# KiCad board EduboardV2_Baseboard.kicad_pcb
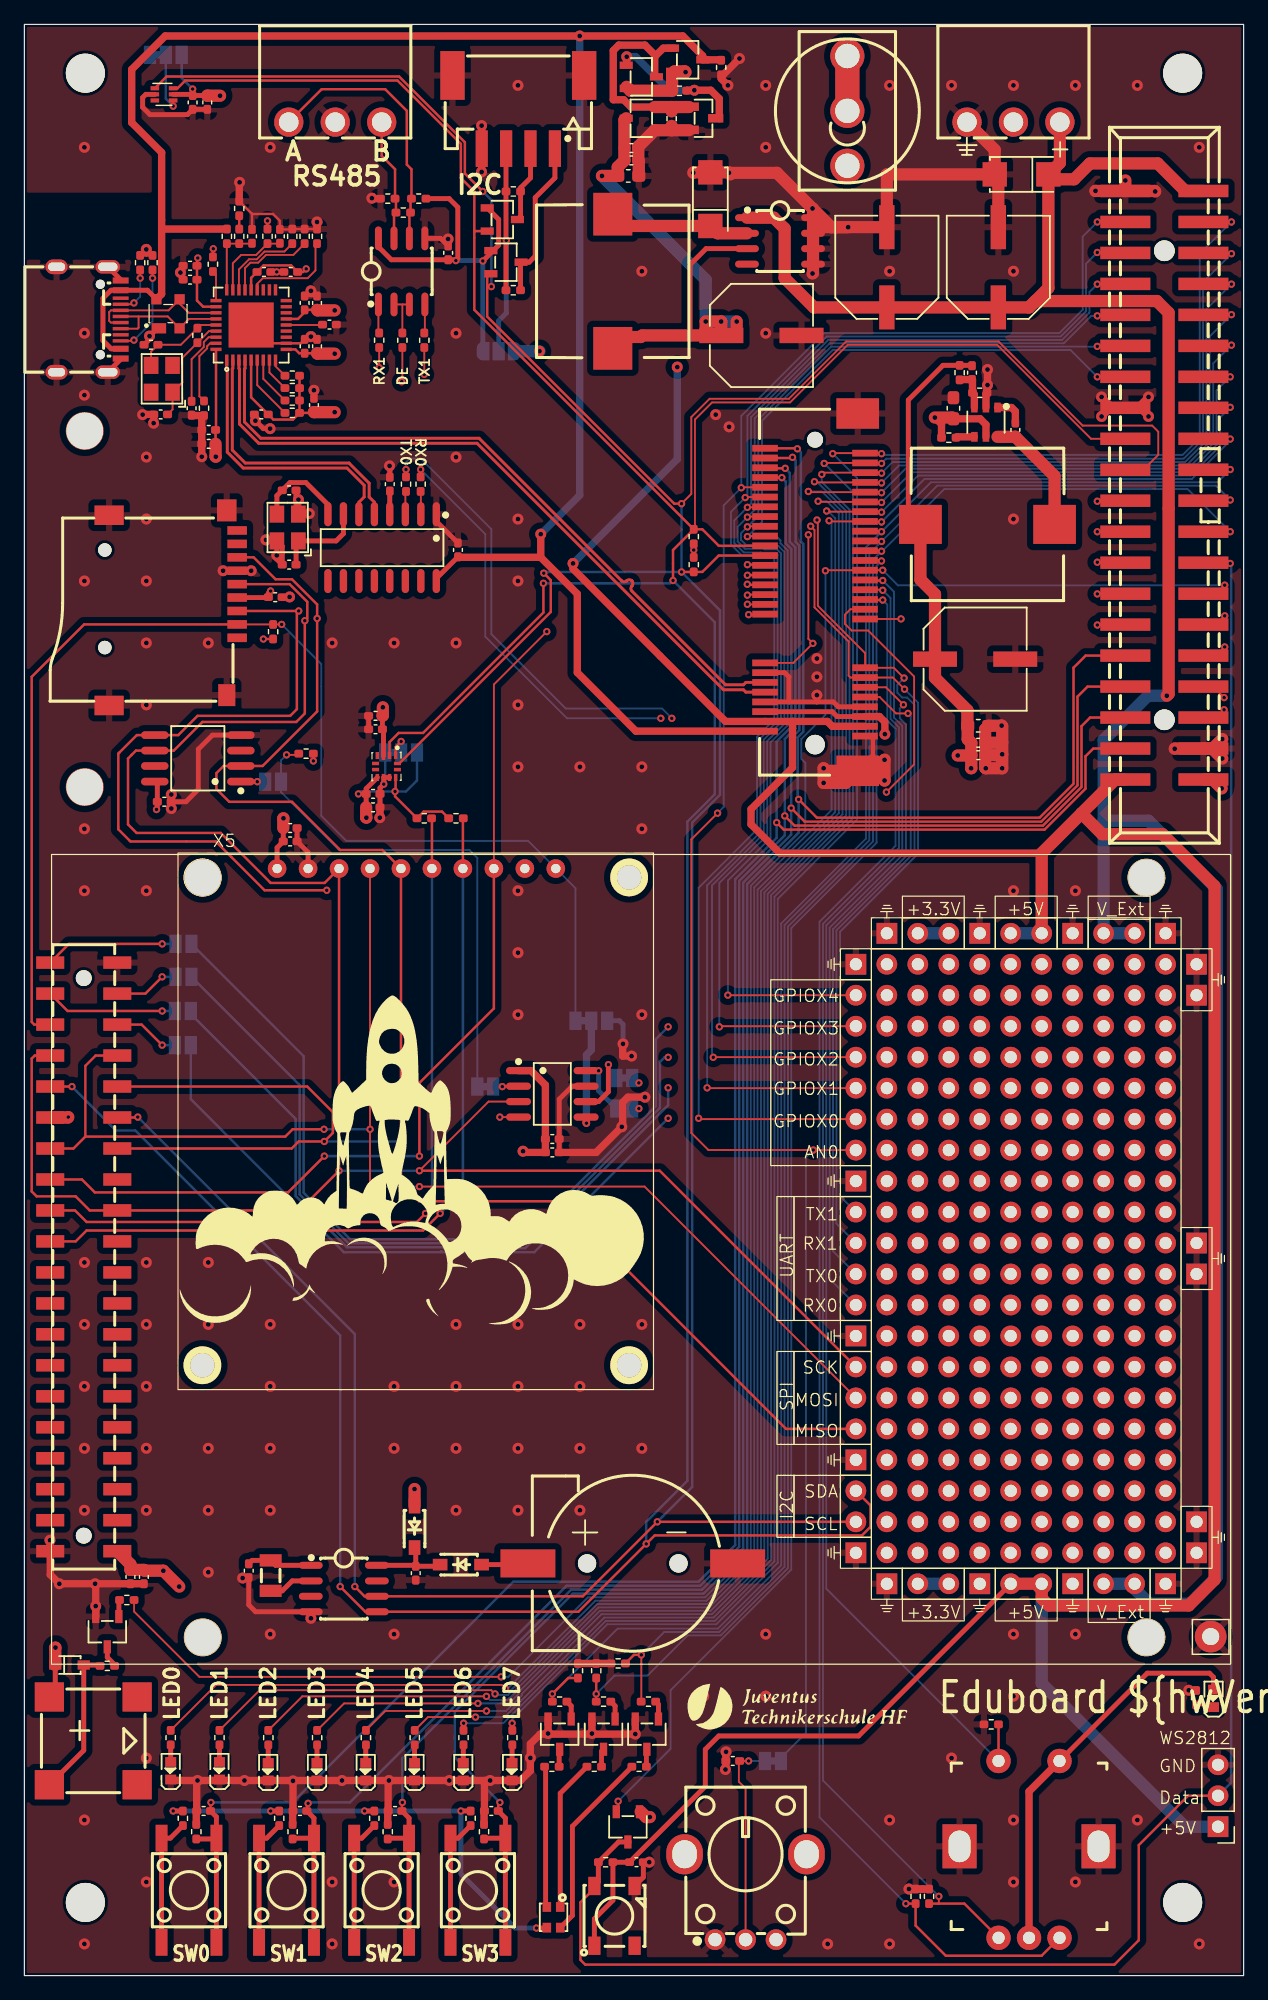
[diagram p0: board, top side]
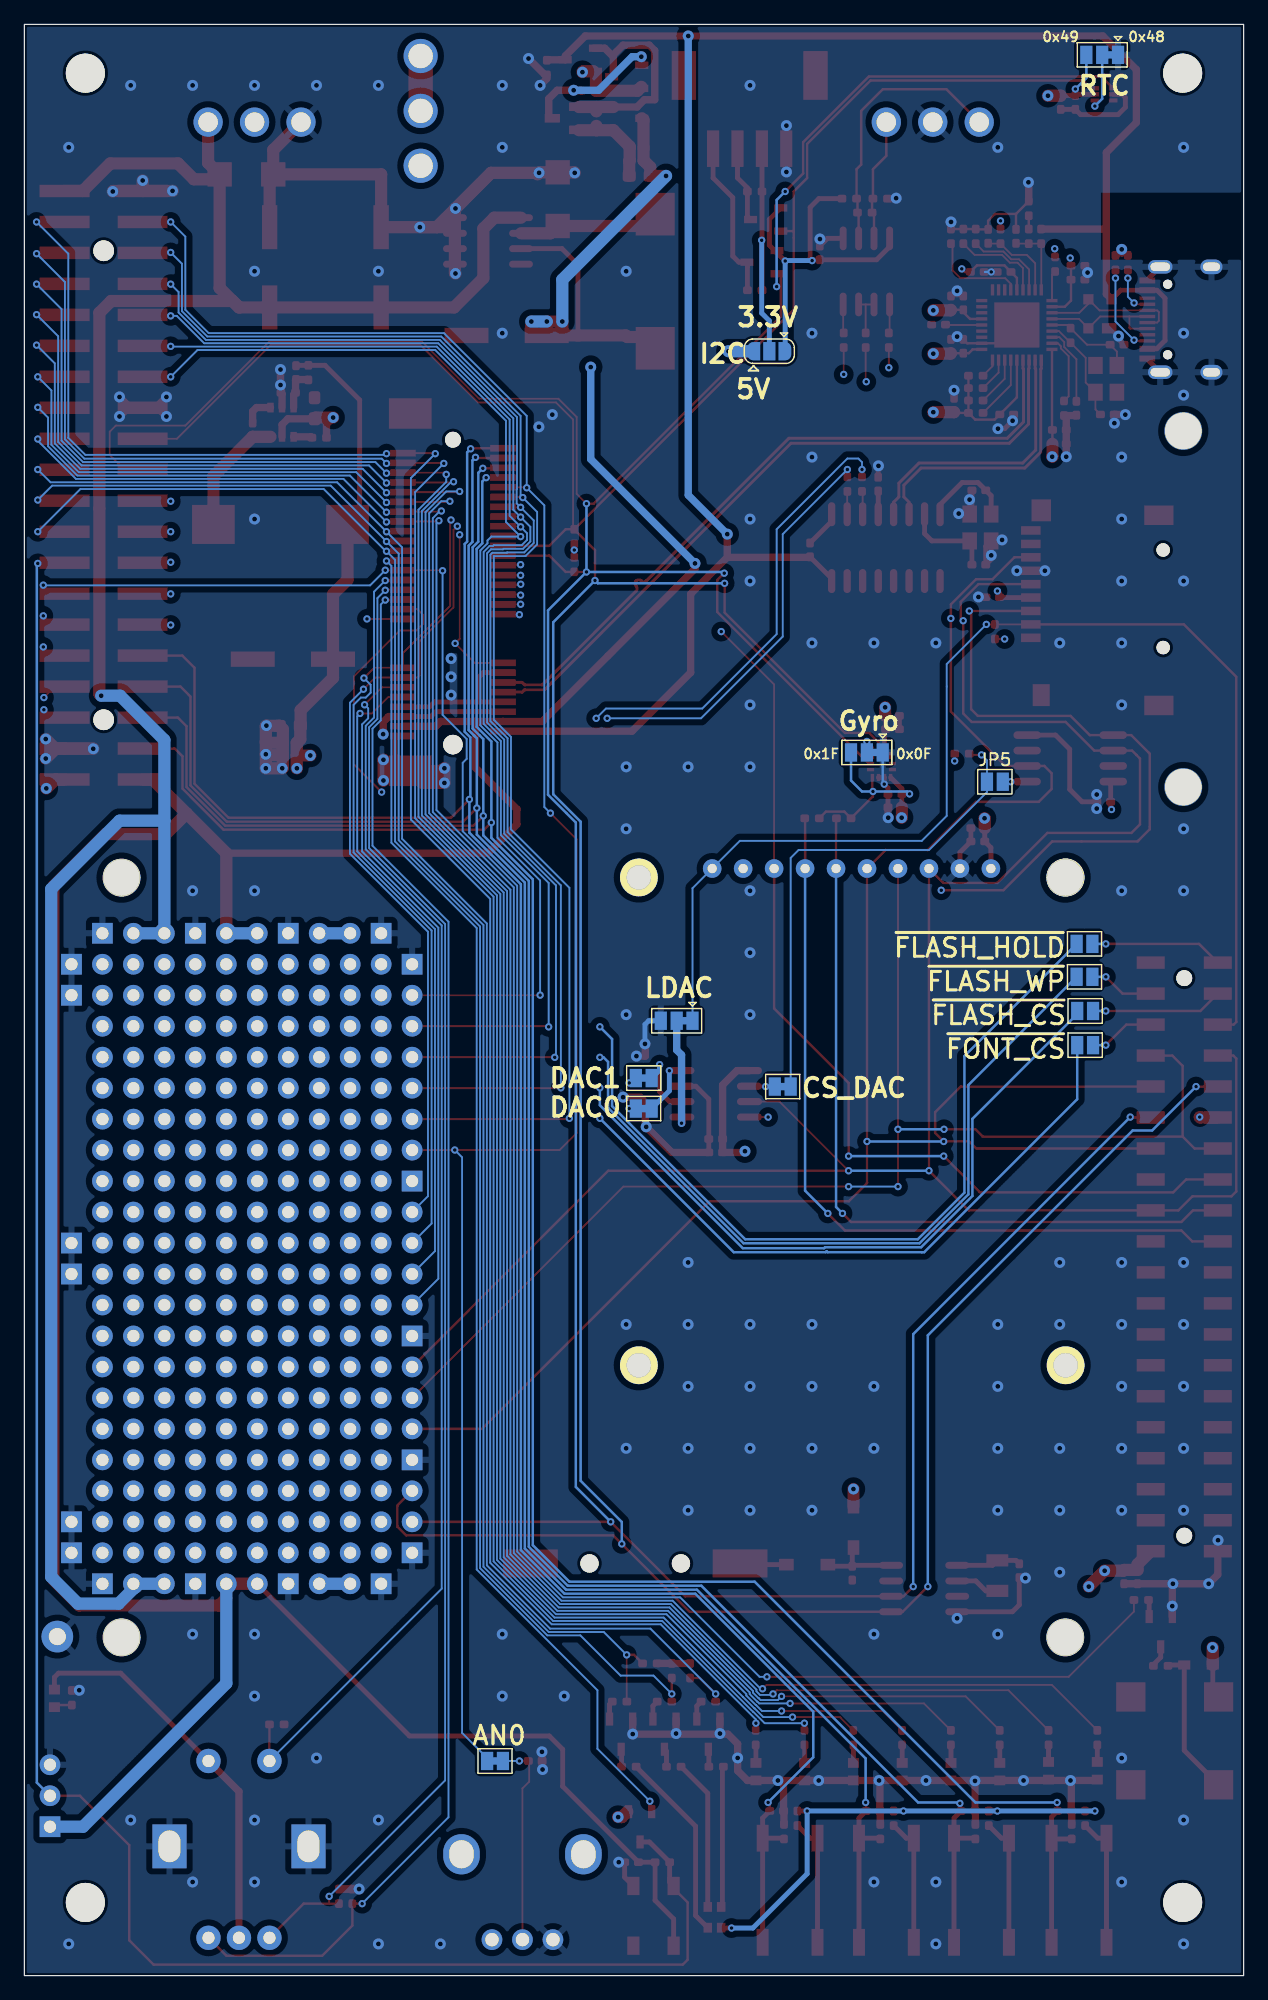
[diagram p1: board, bottom side, seen from below]

Outline 100 x 160 mm; copper layers: Top, In1.Cu, In2.Cu, Bottom. Coordinates in mm from the lower left corner of the outline.
Outline path: rectangle 0,160 100,0
Stack: Top 0.035mm / dielectric 0.1mm FR4 er 4.5 / In1.Cu 0.035mm / dielectric 1.24mm FR4 er 4.5 / In2.Cu 0.035mm / dielectric 0.1mm FR4 er 4.5 / Bottom 0.035mm

## Placement (name value [footprint] x y rotation side)
BUZZER2  MLT-8530  [BUZ-SMD_4P-L8.5-W8.5-P8.50-BR]  5.65 19.25 270 top
C1  10pF  [C_0402_1005Metric_Pad0.74x0.62mm_HandSolder]  18.4 33.2 270 top
C2  1uF  [C_0402_1005Metric_Pad0.74x0.62mm_HandSolder]  20.57 113.03 180 top
C3  10nF  [C_0402_1005Metric_Pad0.74x0.62mm_HandSolder]  32.1 33 90 top
C4  100nF  [C_0402_1005Metric_Pad0.74x0.62mm_HandSolder]  11.47 96.26 180 top
C5  220uF, 35V  [CAP-SMD_BD8.0-L8.3-W8.3-RD]  70.74 140.08 270 top
C6  100nF, 50V  [C_0402_1005Metric_Pad0.74x0.62mm_HandSolder]  81.28 126.75 270 top
C7  10uF, X5R, 25V  [C_0603_1608Metric_Pad1.08x0.95mm_HandSolder]  76.2 128.52 270 top
C8  22pF  [C_0402_1005Metric_Pad0.74x0.62mm_HandSolder]  77.72 131.44 90 top
C9  220uF, 35V  [CAP-SMD_BD8.0-L8.3-W8.3-RD]  60.45 134.49 180 top
C10  10uF, X5R, 25V  [C_0603_1608Metric_Pad1.08x0.95mm_HandSolder]  78.23 102.49 180 top
C11  100nF, 50V  [C_0402_1005Metric_Pad0.74x0.62mm_HandSolder]  49.78 149.86 0 top
C12  1uF, 25V  [C_0402_1005Metric_Pad0.74x0.62mm_HandSolder]  78.23 101.09 0 top
C13  10uF, X5R, 25V  [C_0603_1608Metric_Pad1.08x0.95mm_HandSolder]  49.53 147.57 180 top
C14  100nF, 50V  [C_0402_1005Metric_Pad0.74x0.62mm_HandSolder]  78.23 100.08 0 top
C15  1uF, 25V  [C_0402_1005Metric_Pad0.74x0.62mm_HandSolder]  49.78 148.84 0 top
C16  220uF, 35V  [CAP-SMD_BD8.0-L8.3-W8.3-RD]  77.98 107.95 180 top
C17  1nF  [C_0402_1005Metric_Pad0.74x0.62mm_HandSolder]  58.1 17.6 0 top
C18  10nF  [C_0402_1005Metric_Pad0.74x0.62mm_HandSolder]  14.7 13.5 0 top
C19  100nF  [C_0402_1005Metric_Pad0.74x0.62mm_HandSolder]  8.7 32.7 90 top
C20  10nF  [C_0402_1005Metric_Pad0.74x0.62mm_HandSolder]  22.6 13.5 0 top
C21  220uF, 35V  [CAP-SMD_BD8.0-L8.3-W8.3-RD]  79.88 140.08 270 top
C22  10nF  [C_0402_1005Metric_Pad0.74x0.62mm_HandSolder]  30.4 13.5 0 top
C23  100nF  [C_0402_1005Metric_Pad0.74x0.62mm_HandSolder]  50.2 9.3 180 top
C24  10nF  [C_0402_1005Metric_Pad0.74x0.62mm_HandSolder]  38.3 13.5 0 top
C25  100nF  [C_0402_1005Metric_Pad0.74x0.62mm_HandSolder]  21.8 93 180 top
C26  1uF  [C_0402_1005Metric_Pad0.74x0.62mm_HandSolder]  9.8 32.7 90 top
C27  1uF  [C_0402_1005Metric_Pad0.74x0.62mm_HandSolder]  21.8 94.1 180 top
C28  100nF, 50V  [C_0402_1005Metric_Pad0.74x0.62mm_HandSolder]  29.97 122.3 270 top
C29  22pF  [C_0402_1005Metric_Pad0.74x0.62mm_HandSolder]  21.72 115.7 0 top
C30  22pF  [C_0402_1005Metric_Pad0.74x0.62mm_HandSolder]  21.72 121.79 180 top
C31  100nF  [C_0402_1005Metric_Pad0.74x0.62mm_HandSolder]  34.76 141.27 270 top
C32  100nF, 50V  [C_0402_1005Metric_Pad0.74x0.62mm_HandSolder]  35.56 116.91 270 top
C33  100nF  [C_0402_1005Metric_Pad0.74x0.62mm_HandSolder]  19.65 139.7 180 top
C34  1uF  [C_0402_1005Metric_Pad0.74x0.62mm_HandSolder]  21.84 139.7 0 top
C35  100nF  [C_0402_1005Metric_Pad0.74x0.62mm_HandSolder]  22.99 137.16 270 top
C36  1uF  [C_0402_1005Metric_Pad0.74x0.62mm_HandSolder]  24 137.16 270 top
C37  100nF  [C_0402_1005Metric_Pad0.74x0.62mm_HandSolder]  22.99 133.6 270 top
C38  1uF  [C_0402_1005Metric_Pad0.74x0.62mm_HandSolder]  24 133.6 270 top
C39  100nF  [C_0402_1005Metric_Pad0.74x0.62mm_HandSolder]  19.43 128.02 0 top
C40  1uF  [C_0402_1005Metric_Pad0.74x0.62mm_HandSolder]  23.75 128.78 270 top
C41  100nF, 50V  [C_0402_1005Metric_Pad0.74x0.62mm_HandSolder]  25.02 135.38 0 top
C42  CL05C100JB5NNNC  [C_0402_1005Metric_Pad0.74x0.62mm_HandSolder]  11.18 128.02 0 top
C43  100nF, 50V  [C_0402_1005Metric_Pad0.74x0.62mm_HandSolder]  13.72 128.52 270 top
C44  CL05C100JB5NNNC  [C_0402_1005Metric_Pad0.74x0.62mm_HandSolder]  10.38 133.73 180 top
C45  100nF, 50V  [C_0402_1005Metric_Pad0.74x0.62mm_HandSolder]  18.67 142.62 90 top
C46  100nF, 50V  [C_0402_1005Metric_Pad0.74x0.62mm_HandSolder]  20.95 142.62 90 top
C47  100nF  [C_0402_1005Metric_Pad0.74x0.62mm_HandSolder]  13.59 139.06 0 top
C48  1uF  [C_0402_1005Metric_Pad0.74x0.62mm_HandSolder]  13.59 140.21 0 top
C49  100nF  [C_0402_1005Metric_Pad0.74x0.62mm_HandSolder]  15.11 126.75 0 top
C50  1uF  [C_0402_1005Metric_Pad0.74x0.62mm_HandSolder]  15.11 125.6 0 top
C51  100nF  [C_0402_1005Metric_Pad0.74x0.62mm_HandSolder]  13.8 153.6 90 top
C52  1uF  [C_0402_1005Metric_Pad0.74x0.62mm_HandSolder]  15 153.6 90 top
C53  100nF  [C_0402_1005Metric_Pad0.74x0.62mm_HandSolder]  28.6 96.9 180 top
C54  1uF  [C_0402_1005Metric_Pad0.74x0.62mm_HandSolder]  28.6 95.8 180 top
C55  100nF  [C_0402_1005Metric_Pad0.74x0.62mm_HandSolder]  28.8 102.2 0 top
C56  1uF  [C_0402_1005Metric_Pad0.74x0.62mm_HandSolder]  28.8 103.3 0 top
C57  100nF, 50V  [C_0402_1005Metric_Pad0.74x0.62mm_HandSolder]  43.3 68.6 180 top
C58  100nF, 50V  [C_0402_1005Metric_Pad0.74x0.62mm_HandSolder]  43.3 67.5 180 top
D1  B5819W_C8598  [SOD-123_L2.7-W1.6-LS3.7-RD-1]  32 36.8 90 top
D2  B5819W_C8598  [SOD-123_L2.7-W1.6-LS3.7-RD-1]  35.8 33.7 0 top
D3  SS210  [SMA_L4.3-W2.6-LS5.2-RD]  81.79 147.7 180 top
D4  SS210  [SMA_L4.3-W2.6-LS5.2-RD]  56.26 145.67 90 top
D5  blue  [LED0603-FD_BLUE]  97.54 22.73 90 top
D6  blue  [LED0603-FD_BLUE]  12 16.8 90 top
D7  blue  [LED0603-FD_BLUE]  16 16.8 90 top
D8  blue  [LED0603-FD_BLUE]  20 16.72 90 top
D9  blue  [LED0603-FD_BLUE]  24 16.72 90 top
D10  blue  [LED0603-FD_BLUE]  28 16.72 90 top
D11  blue  [LED0603-FD_BLUE]  32 16.72 90 top
D12  blue  [LED0603-FD_BLUE]  36 16.72 90 top
D13  blue  [LED0603-FD_BLUE]  40 16.72 90 top
D14  RGB-LED  [LED-SMD_FM-B2020RGBA-HG]  43.4 4.78 270 top
D15  WS2812B-B_W  [LED-SMD_4P-L5.0-W5.0-TL_WS2812B-B]  48.4 4.9 90 top
D16  1N4148WST4  [SOD-323_L1.8-W1.3-LS2.5-RD]  3.7 25.47 0 top
D17  PRTR5V0U2X_C2827688  [SOT-143-4_L2.9-W1.3-P1.92-LS2.4-BL]  11.78 136.27 0 top
G***  LOGO  [JuventusLogo]  63.3 22.1 0 top
G***#2  LOGO  [logo3]  5.5 143.3 0 top
G***#3  LOGO  [logo_rocket]  31.75 67.15 0 top
IC1  PCF8563T_5,518  [SOIC-8_L5.0-W4.0-P1.27-LS6.0-BL]  26.2 31.74 270 top
IC2  W25Q128JVSIQTR  [SOIC-8_L5.3-W5.3-P1.27-LS8.0-BL]  14.22 99.82 90 top
IC3  XL1509-5.0E1  [SOIC-8_L5.0-W4.0-P1.27-LS6.0-BL]  61.98 142.24 270 top
IC4  SY8113BADC  [TSOT-23-6_L2.9-W1.6-P0.95-LS2.8-BR]  78.87 127.38 90 top
IC5  SP3485EN-L_TR  [SOIC-8_L5.0-W4.0-P1.27-LS6.0-BL]  30.95 139.74 0 top
IC8  STK8321  [LGA-12_L2.0-W2.0-P0.50-TR]  29.7 99.15 0 top
IC10  USB2514BI-AEZG-TR  [TQFN-36_L6.0-W6.0-P0.50-BL-EP3.7]  18.6 135.35 0 top
J1  EduboardV2 PCIE UP Board Connector  [CONN-SMD_52P-P0.80-V_91304-70-052RXXX]  64.85 113.44 90 top
J2  Conn_WS2812_Extern  [PinHeader_1x03_P2.54mm_Vertical]  97.9 12.21 180 top
J3  GNDConnector  [Pin_D1.4mm_L8.5mm_W2.8mm_FlatFork]  97.3 27.8 0 top
JP1  Stemma Voltage Selector  [SolderJumper-3_P1.3mm_Open_RoundedPad1.0x1.5mm]  38.9 133.2 0 bottom
JP2  SolderJumper_3_Bridged12  [SolderJumper-3_P1.3mm_Bridged12_Pad1.0x1.5mm]  30.9 100.3 0 bottom
JP3  SolderJumper_3_Bridged12  [SolderJumper-3_P1.3mm_Bridged12_Pad1.0x1.5mm]  11.6 157.5 0 bottom
JP4  SolderJumper_3_Bridged12  [SolderJumper-3_P1.3mm_Bridged12_Pad1.0x1.5mm]  46.5 78.3 0 bottom
JP5  SolderJumper_2_Open  [SolderJumper-2_P1.3mm_Open_Pad1.0x1.5mm]  20.4 97.9 180 bottom
JP6  SolderJumper_2_Bridged  [SolderJumper-2_P1.3mm_Bridged_Pad1.0x1.5mm]  37.8 72.9 0 bottom
JP9  SolderJumper_2_Bridged  [SolderJumper-2_P1.3mm_Bridged_Pad1.0x1.5mm]  61.4 17.6 0 bottom
JP10  SolderJumper_2_Open  [SolderJumper-2_P1.3mm_Open_Pad1.0x1.5mm]  13 76.3 180 bottom
JP11  SolderJumper_2_Open  [SolderJumper-2_P1.3mm_Open_Pad1.0x1.5mm]  13 79.1 180 bottom
JP12  SolderJumper_2_Open  [SolderJumper-2_P1.3mm_Open_Pad1.0x1.5mm]  13.05 81.9 180 bottom
JP13  SolderJumper_2_Open  [SolderJumper-2_P1.3mm_Open_Pad1.0x1.5mm]  13.05 84.6 180 bottom
JP14  SolderJumper_2_Bridged  [SolderJumper-2_P1.3mm_Bridged_Pad1.0x1.5mm]  49.2 73.6 0 bottom
JP15  SolderJumper_2_Bridged  [SolderJumper-2_P1.3mm_Bridged_Pad1.0x1.5mm]  49.2 71.1 0 bottom
L1  SLF12565T-680M2R0-PF  [IND-SMD_L12.5-W12.5_SLF12565T]  78.99 119 180 top
L2  SLF12565T-680M2R0-PF  [IND-SMD_L12.5-W12.5_SLF12565T]  48.26 138.94 270 top
Q1  2N7002_C916396  [SOT-23-3_L2.9-W1.3-P1.90-LS2.4-BR]  55.7 152.3 180 top
Q2  IRLML6402TRPBF  [SOT-23-3_L2.9-W1.6-P1.90-LS2.8-BR]  50.6 152.3 0 top
Q3  IRLML6402TRPBF  [SOT-23-3_L2.9-W1.6-P1.90-LS2.8-BR]  50.6 155.7 180 top
Q4  IRLML6402TRPBF  [SOT-23-3_L2.9-W1.6-P1.90-LS2.8-BR]  54.4 157.1 180 top
Q5  BSN20  [SOT-23-3_L2.9-W1.6-P1.90-LS2.8-BR]  39.5 140.5 180 top
Q6  BSN20  [SOT-23-3_L2.9-W1.6-P1.90-LS2.8-BR]  39.2 144 180 top
Q7  BSN20  [SOT-23-3_L2.9-W1.6-P1.90-LS2.8-BR]  49.5 12.2 90 top
R1  1k  [R_0402_1005Metric_Pad0.72x0.64mm_HandSolder]  54.9 118 270 top
R2  1k  [R_0402_1005Metric_Pad0.72x0.64mm_HandSolder]  54.9 115.7 90 top
R3  1M  [R_0402_1005Metric_Pad0.72x0.64mm_HandSolder]  53.09 152.27 90 top
R4  1M  [R_0402_1005Metric_Pad0.72x0.64mm_HandSolder]  53.72 154.56 180 top
R5  1M  [R_0402_1005Metric_Pad0.72x0.64mm_HandSolder]  57.15 156.46 90 top
R6  100k  [R_0402_1005Metric_Pad0.72x0.64mm_HandSolder]  75.82 126.11 180 top
R7  22k  [R_0402_1005Metric_Pad0.72x0.64mm_HandSolder]  78.36 129.79 180 top
R8  100k  [R_0402_1005Metric_Pad0.72x0.64mm_HandSolder]  76.71 131.44 90 top
R9  1k  [R_0402_1005Metric_Pad0.72x0.64mm_HandSolder]  96.11 22.79 270 top
R10  1k  [R_0402_1005Metric_Pad0.72x0.64mm_HandSolder]  13 12.9 90 top
R11  10k  [R_0402_1005Metric_Pad0.72x0.64mm_HandSolder]  14.1 11.8 270 top
R12  1k  [R_0402_1005Metric_Pad0.72x0.64mm_HandSolder]  12 19.51 90 top
R13  50k  [RES-TH_RK09K1130AAU]  59.15 6.45 0 top
R14  1k  [R_0402_1005Metric_Pad0.72x0.64mm_HandSolder]  16 19.51 90 top
R15  1k  [R_0402_1005Metric_Pad0.72x0.64mm_HandSolder]  20.01 19.51 90 top
R16  1k  [R_0402_1005Metric_Pad0.72x0.64mm_HandSolder]  24.01 19.51 90 top
R17  1k  [R_0402_1005Metric_Pad0.72x0.64mm_HandSolder]  20.9 12.9 90 top
R18  10k  [R_0402_1005Metric_Pad0.72x0.64mm_HandSolder]  22 11.8 270 top
R19  1k  [R_0402_1005Metric_Pad0.72x0.64mm_HandSolder]  28.01 19.51 90 top
R20  10k  [R_0402_1005Metric_Pad0.72x0.64mm_HandSolder]  23.1 100.2 0 top
R21  1k  [R_0402_1005Metric_Pad0.72x0.64mm_HandSolder]  32.02 19.51 90 top
R22  1k  [R_0402_1005Metric_Pad0.72x0.64mm_HandSolder]  36.02 19.51 90 top
R23  1k  [R_0402_1005Metric_Pad0.72x0.64mm_HandSolder]  40.02 19.51 90 top
R24  10k  [R_0402_1005Metric_Pad0.72x0.64mm_HandSolder]  20.4 110.2 270 top
R25  1k  [R_0402_1005Metric_Pad0.72x0.64mm_HandSolder]  28.7 12.9 90 top
R26  10k  [R_0402_1005Metric_Pad0.72x0.64mm_HandSolder]  29.8 11.8 270 top
R27  150R  [R_0402_1005Metric_Pad0.72x0.64mm_HandSolder]  43.27 17.13 180 top
R28  150R  [R_0402_1005Metric_Pad0.72x0.64mm_HandSolder]  50.42 17.13 180 top
R29  1k  [R_0402_1005Metric_Pad0.72x0.64mm_HandSolder]  36.6 12.9 90 top
R30  10k  [R_0402_1005Metric_Pad0.72x0.64mm_HandSolder]  37.7 11.8 270 top
R31  150R  [R_0402_1005Metric_Pad0.72x0.64mm_HandSolder]  46.74 17.13 180 top
R32  10R  [R_0402_1005Metric_Pad0.72x0.64mm_HandSolder]  47.5 22.47 180 top
R33  10R  [R_0402_1005Metric_Pad0.72x0.64mm_HandSolder]  51.18 22.47 180 top
R34  10R  [R_0402_1005Metric_Pad0.72x0.64mm_HandSolder]  43.9 22.47 180 top
R35  10k  [R_0402_1005Metric_Pad0.72x0.64mm_HandSolder]  79.3 20.6 0 top
R36  10k  [R_0402_1005Metric_Pad0.72x0.64mm_HandSolder]  74.2 6.5 270 top
R37  10k  [R_0402_1005Metric_Pad0.72x0.64mm_HandSolder]  47.67 9.3 0 top
R38  10k  [R_0402_1005Metric_Pad0.72x0.64mm_HandSolder]  73.1 6.5 270 top
R39  10R  [R_0402_1005Metric_Pad0.72x0.64mm_HandSolder]  8.4 30.8 180 top
R40  10R  [R_0402_1005Metric_Pad0.72x0.64mm_HandSolder]  6.8 25.4 180 top
R41  10k  [R_0402_1005Metric_Pad0.72x0.64mm_HandSolder]  32.8 94.9 180 top
R42  10k  [R_0402_1005Metric_Pad0.72x0.64mm_HandSolder]  35.4 94.9 180 top
R43  10k  [R_0402_1005Metric_Pad0.72x0.64mm_HandSolder]  46.9 25 90 top
R44  10k  [R_0402_1005Metric_Pad0.72x0.64mm_HandSolder]  48.7 25.6 180 top
R45  10k  [R_0402_1005Metric_Pad0.72x0.64mm_HandSolder]  45.4 25 90 top
R46  1k  [R_0402_1005Metric_Pad0.72x0.64mm_HandSolder]  29.1 134.1 270 top
R47  1k  [R_0402_1005Metric_Pad0.72x0.64mm_HandSolder]  31 134.1 270 top
R48  1k  [R_0402_1005Metric_Pad0.72x0.64mm_HandSolder]  32.8 134.1 270 top
R49  5.1k  [R_0402_1005Metric_Pad0.72x0.64mm_HandSolder]  10.51 140.46 90 top
R50  5.1k  [R_0402_1005Metric_Pad0.72x0.64mm_HandSolder]  9.49 140.46 270 top
R51  10k  [R_0402_1005Metric_Pad0.72x0.64mm_HandSolder]  40.1 138.2 180 top
R52  10k  [R_0402_1005Metric_Pad0.72x0.64mm_HandSolder]  40.1 146.3 180 top
R53  10k  [R_0402_1005Metric_Pad0.72x0.64mm_HandSolder]  29.8 145.71 0 top
R54  120R  [R_0402_1005Metric_Pad0.72x0.64mm_HandSolder]  31.07 144.57 180 top
R55  10k  [R_0402_1005Metric_Pad0.72x0.64mm_HandSolder]  32.34 145.71 0 top
R56  1k  [R_0402_1005Metric_Pad0.72x0.64mm_HandSolder]  32.5 122.3 90 top
R57  1k  [R_0402_1005Metric_Pad0.72x0.64mm_HandSolder]  31.3 122.3 90 top
R60  10k  [R_0402_1005Metric_Pad0.72x0.64mm_HandSolder]  21.97 131.19 180 top
R61  10k  [R_0402_1005Metric_Pad0.72x0.64mm_HandSolder]  21.97 130.18 180 top
R62  10k  [R_0402_1005Metric_Pad0.72x0.64mm_HandSolder]  21.97 129.16 180 top
R63  10k  [R_0402_1005Metric_Pad0.72x0.64mm_HandSolder]  21.97 128.14 180 top
R64  1M  [R_0402_1005Metric_Pad0.72x0.64mm_HandSolder]  14.19 134.49 90 top
R65  12k  [R_0402_1005Metric_Pad0.72x0.64mm_HandSolder]  14.73 128.52 90 top
R66  47k  [R_0402_1005Metric_Pad0.72x0.64mm_HandSolder]  24 142.62 270 top
R67  47k  [R_0402_1005Metric_Pad0.72x0.64mm_HandSolder]  22.99 142.62 270 top
R68  47k  [R_0402_1005Metric_Pad0.72x0.64mm_HandSolder]  15.46 140.34 90 top
R69  47k  [R_0402_1005Metric_Pad0.72x0.64mm_HandSolder]  21.97 142.62 270 top
R70  100k  [R_0402_1005Metric_Pad0.72x0.64mm_HandSolder]  16.61 142.62 270 top
R71  100k  [R_0402_1005Metric_Pad0.72x0.64mm_HandSolder]  17.62 142.62 90 top
R72  100k  [R_0402_1005Metric_Pad0.72x0.64mm_HandSolder]  17.62 144.91 90 top
R73  12k  [R_0402_1005Metric_Pad0.72x0.64mm_HandSolder]  19.94 142.62 90 top
REF**  -  [MountingHole_3.2mm_M3]  5 156 0 top
REF**#2  -  [MountingHole_3.2mm_M3]  95 156 0 top
REF**#3  -  [MountingHole_3.2mm_M3]  95 6 0 top
REF**#4  -  [MountingHole_3.2mm_M3]  5 6 0 top
SW1  1FS1T1B9M2RES-5  [SW-TH_1FS1T1B9M2RES-5]  67.5 152.91 0 top
SW2  K2-1102SP-C4SC-04  [KEY-SMD_4P-L6.0-W6.0-P4.50-LS9.5-BL]  13.5 7 0 top
SW3  K2-1102SP-C4SC-04  [KEY-SMD_4P-L6.0-W6.0-P4.50-LS9.5-BL]  21.5 7 0 top
SW4  K2-1102SP-C4SC-04  [KEY-SMD_4P-L6.0-W6.0-P4.50-LS9.5-BL]  29.3 7 0 top
SW5  K2-1102SP-C4SC-04  [KEY-SMD_4P-L6.0-W6.0-P4.50-LS9.5-BL]  37.2 7 0 top
SW6  PEC11R-4220F-S0012  [SW-TH_PEC11R-4220F-S0012]  82.4 10.35 0 top
T1  AO3400A  [SOT-23-3_L2.9-W1.6-P1.90-LS2.8-BR]  43.9 19.8 90 top
T2  AO3400A  [SOT-23-3_L2.9-W1.6-P1.90-LS2.8-BR]  51.06 19.8 90 top
T3  AO3400A  [SOT-23-3_L2.9-W1.6-P1.90-LS2.8-BR]  47.5 19.8 90 top
T5  AO3400A  [SOT-23-3_L2.9-W1.6-P1.90-LS2.8-BR]  6.8 28.2 90 top
U1  TMP112xxDRL  [SOT-563]  11.45 154.26 0 top
U2  MCP4802-E/SN  [SOIC-8_L4.9-W3.9-P1.27-LS6.0-BL]  43.3 72.3 270 top
X1  32.768 kHz  [FC-135R_L3.2-W1.5]  20.2 32.8 90 top
X2  CR1220-2ZX  [BAT-SMD_CR1220-2ZX]  49.9 33.8 0 top
X3  TF-15×15  [TF-SMD_TF-15-15]  12.2 112.15 180 top
X4  KF2EDGR-3.81-3P  [CONN-TH_3P-P3.81_KF2EDGR-3.81-3P]  81.12 151.99 180 top
X5  -  [DFR0649]  32.3 72.45 0 top
X6  ~  [protoboard_patch]  68.2 32.13 90 top
X7  BH-00105  [IDC-SMD_BH-00105]  93.5 122.21 90 top
X8  USB3.1C16PFSMT  [USB-C-SMD_TYPE-C-USB-17]  5.27 135.8 270 top
X9  FH-00148  [HDR-SMD_40P-P2.54-V-F-R2-C20-S7.1-EH]  5.03 58.93 270 top
X10  S4B-PH-SM4-K-TB(LF)(SN)  [CONN-SMD_S4B-PH-SM4-K-TB-LF-SN]  40.51 152.81 0 top
X13  KF2EDGR-3.81-3P  [CONN-TH_3P-P3.81_KF2EDGR-3.81-3P]  25.49 151.99 180 top
X14  CH340G  [SOIC-16_L9.9-W3.9-P1.27-LS6.0-BL]  29.34 117.09 180 top
X15  DSX321G 24MHz  [OSC-SMD_4P-L3.2-W2.5-BL]  11.27 130.94 90 top
Y1  X322512MSB4SI  [OSC-SMD_4P-L3.2-W2.5-BL]  21.59 118.75 90 top

## Library data of the parts
BUZZER2 = -: JLC Part: Extended Part; LCSC Part: C94599; Manufacturer: 华能; alternative: C95300
C1 = -: Description: 50V 10pF C0G ±5% 0402  Multilayer Ceramic Capacitors MLCC - SMD/SMT ROHS; JLC Part: Basic Part; LCSC Part: C32949; MPN: CL05C100JB5NNNC; Manufacturer: SAMSUNG
C2 C12 C15 C26 C27 C34 C36 C38 C40 C48 C50 C52 C54 C56 = -: Description: 25V 1uF X5R ±10% 0402  Multilayer Ceramic Capacitors MLCC - SMD/SMT ROHS; JLC Part: Basic Part; LCSC Part: C52923; MPN: CL05A105KA5NQNC; Manufacturer: SAMSUNG
C3 C18 C20 C22 C24 = -: Description: 50V 10nF X7R ±10% 0402  Multilayer Ceramic Capacitors MLCC - SMD/SMT ROHS; JLC Part: Basic Part; LCSC Part: C15195; MPN: CL05B103KB5NNNC; Manufacturer: SAMSUNG
C4 C6 C11 C14 C19 C23 C25 C28 C31-C33 C35 C37 C39 C41 C43 C45-C47 C49 C51 C53 C55 C57 C58 = -: Description: 50V 100nF X7R ±10% 0402  Multilayer Ceramic Capacitors MLCC - SMD/SMT ROHS; JLC Part: Basic Part; LCSC Part: C307331; MPN: CL05B104KB54PNC; Manufacturer: Samsung Electro-Mechanics
C5 C9 C16 C21 = -: Description: 2000hrs@105℃ -45℃~+105℃ 220uF 10mm 35V 8mm ±20% SMD,8x10mm  Aluminum Electrolytic Capacitors - SMD ROHS; JLC Part: Extended Part; LCSC Part: C164065; MPN: VEJ221M1VTR-0810; Manufacturer: LELON
C7 C10 C13 = -: Description: X5R 25V ±20% 10uF 0603 Multilayer Ceramic Capacitors MLCC - SMD/SMT ROHS; JLC Part: Basic Part; LCSC Part: C96446; MPN: CL10A106MA8NRNC; Manufacturer: SAMSUNG
C8 C29 C30 = -: Description: 50V 22pF C0G ±5% 0402  Multilayer Ceramic Capacitors MLCC - SMD/SMT ROHS; JLC Part: Basic Part; LCSC Part: C1555; MPN: 0402CG220J500NT; Manufacturer: FH
C17 = -: Description: 50V 1nF X7R ±10% 0402  Multilayer Ceramic Capacitors MLCC - SMD/SMT ROHS; JLC Part: Basic Part; LCSC Part: C1523; MPN: 0402B102K500NT; Manufacturer: FH
C42 C44 = -: Description: 50V 10pF C0G ±5% 0402  Multilayer Ceramic Capacitors MLCC - SMD/SMT ROHS; JLC Part: Basic Part; LCSC Part: C32949; Manufacturer: SAMSUNG
D1 D2 = -: Description: 40V 600mV@1A 1A SOD-123  Schottky Barrier Diodes (SBD) ROHS; JLC Part: Basic Part; LCSC Part: C8598; Manufacturer: CJ
D3 D4 = -: Description: 100V 850mV@2A 2A SMA(DO-214AC)  Schottky Barrier Diodes (SBD) ROHS; JLC Part: Basic Part; LCSC Part: C14996; Manufacturer: MDD
D5-D13 = -: JLC Part: Basic Part; LCSC Part: C72041; MPN: 19-217/BHC-ZL1M2RY/3T; Manufacturer: EVERLIGHT(亿光)
D14 = -: Description: RGB SMD,2.1x2.1x1mm  Light Emitting Diodes (LED) ROHS; JLC Part: Extended Part; LCSC Part: C108793; LCSC Part Alternative: C2874116; MPN: FM-B2020RGBA-HG; Manufacturer: NATIONSTAR
D15 = -: Description: 12mA RGB SMD,5x5mm  Light Emitting Diodes (LED) ROHS; JLC Part: Extended Part; LCSC Part: C2761795; MPN: WS2812B-B/W; Manufacturer: worldsemi
D16 = -: Description: 100V +150℃@(Tj) 200mW Single 1.25V@150mA 4ns 1μA@75V 150mA SOD-323  Switching Diode ROHS; JLC Part: Basic Part; LCSC Part: C2128; MPN: 1N4148WS T4; Manufacturer: CJ
D17 = -: JLC Part: Extended Part; LCSC Part: C2827688; Manufacturer: TECH PUBLIC(台舟)
IC1 = -: Description: HH:MM:SS (24 hr) YY-MM-DD-dd I2C, 2-Wire Serial Clock/Calendar SOIC-8_150mil  Real-time Clocks (RTC) ROHS; JLC Part: Basic Part; LCSC Part: C7440; MPN: PCF8563T/5,518; Manufacturer: NXP
IC2 = -: Description: SOIC-8_208mil  NOR FLASH ROHS; JLC Part: Basic Part; LCSC Part: C97521; Manufacturer: WINBOND
IC3 = -: Description: Step-down type SOP-8_150mil  DC-DC Converters ROHS; JLC Part: Basic Part; LCSC Part: C61063; Manufacturer: XLSEMI
IC4 = -: Description: Step-down type TSOT-23-6  DC-DC Converters ROHS; JLC Part: Extended Part; LCSC Part: C78989; Manufacturer: Silergy
IC5 = -: Description: 10Mbps RS485 1/1 Transceiver SOIC-8_150mil  RS-485/RS-422 ICs ROHS; JLC Part: Basic Part; LCSC Part: C8963; MPN: SP3485EN-L/TR; Manufacturer: EXAR
IC8 = -: Description: LGA-12  Motion Sensors - Accelerometers ROHS; JLC Part: Extended Part; LCSC Part: C966924; Manufacturer: SENSORTEK(昇佳)
IC10 = -: Description: QFN-36_6x6x05P  USB ICs ROHS; JLC Part: Extended Part; LCSC Part: C58940; Manufacturer: MICROCHIP
J2 = -: Description: Generic connector, single row, 01x03, script generated (kicad-library-utils/schlib/autogen/connector/)
J3 = -: Description: Generic connector, single row, 01x01, script generated (kicad-library-utils/schlib/autogen/connector/)
JP1 = -: Description: Solder Jumper, 3-pole, open
JP2-JP4 = -: Description: 3-pole Solder Jumper, pins 1+2 closed/bridged
JP5 JP10-JP13 = -: Description: Solder Jumper, 2-pole, open